# KiCad board RV523_CellTestBoard.final.kicad_pcb (continued)
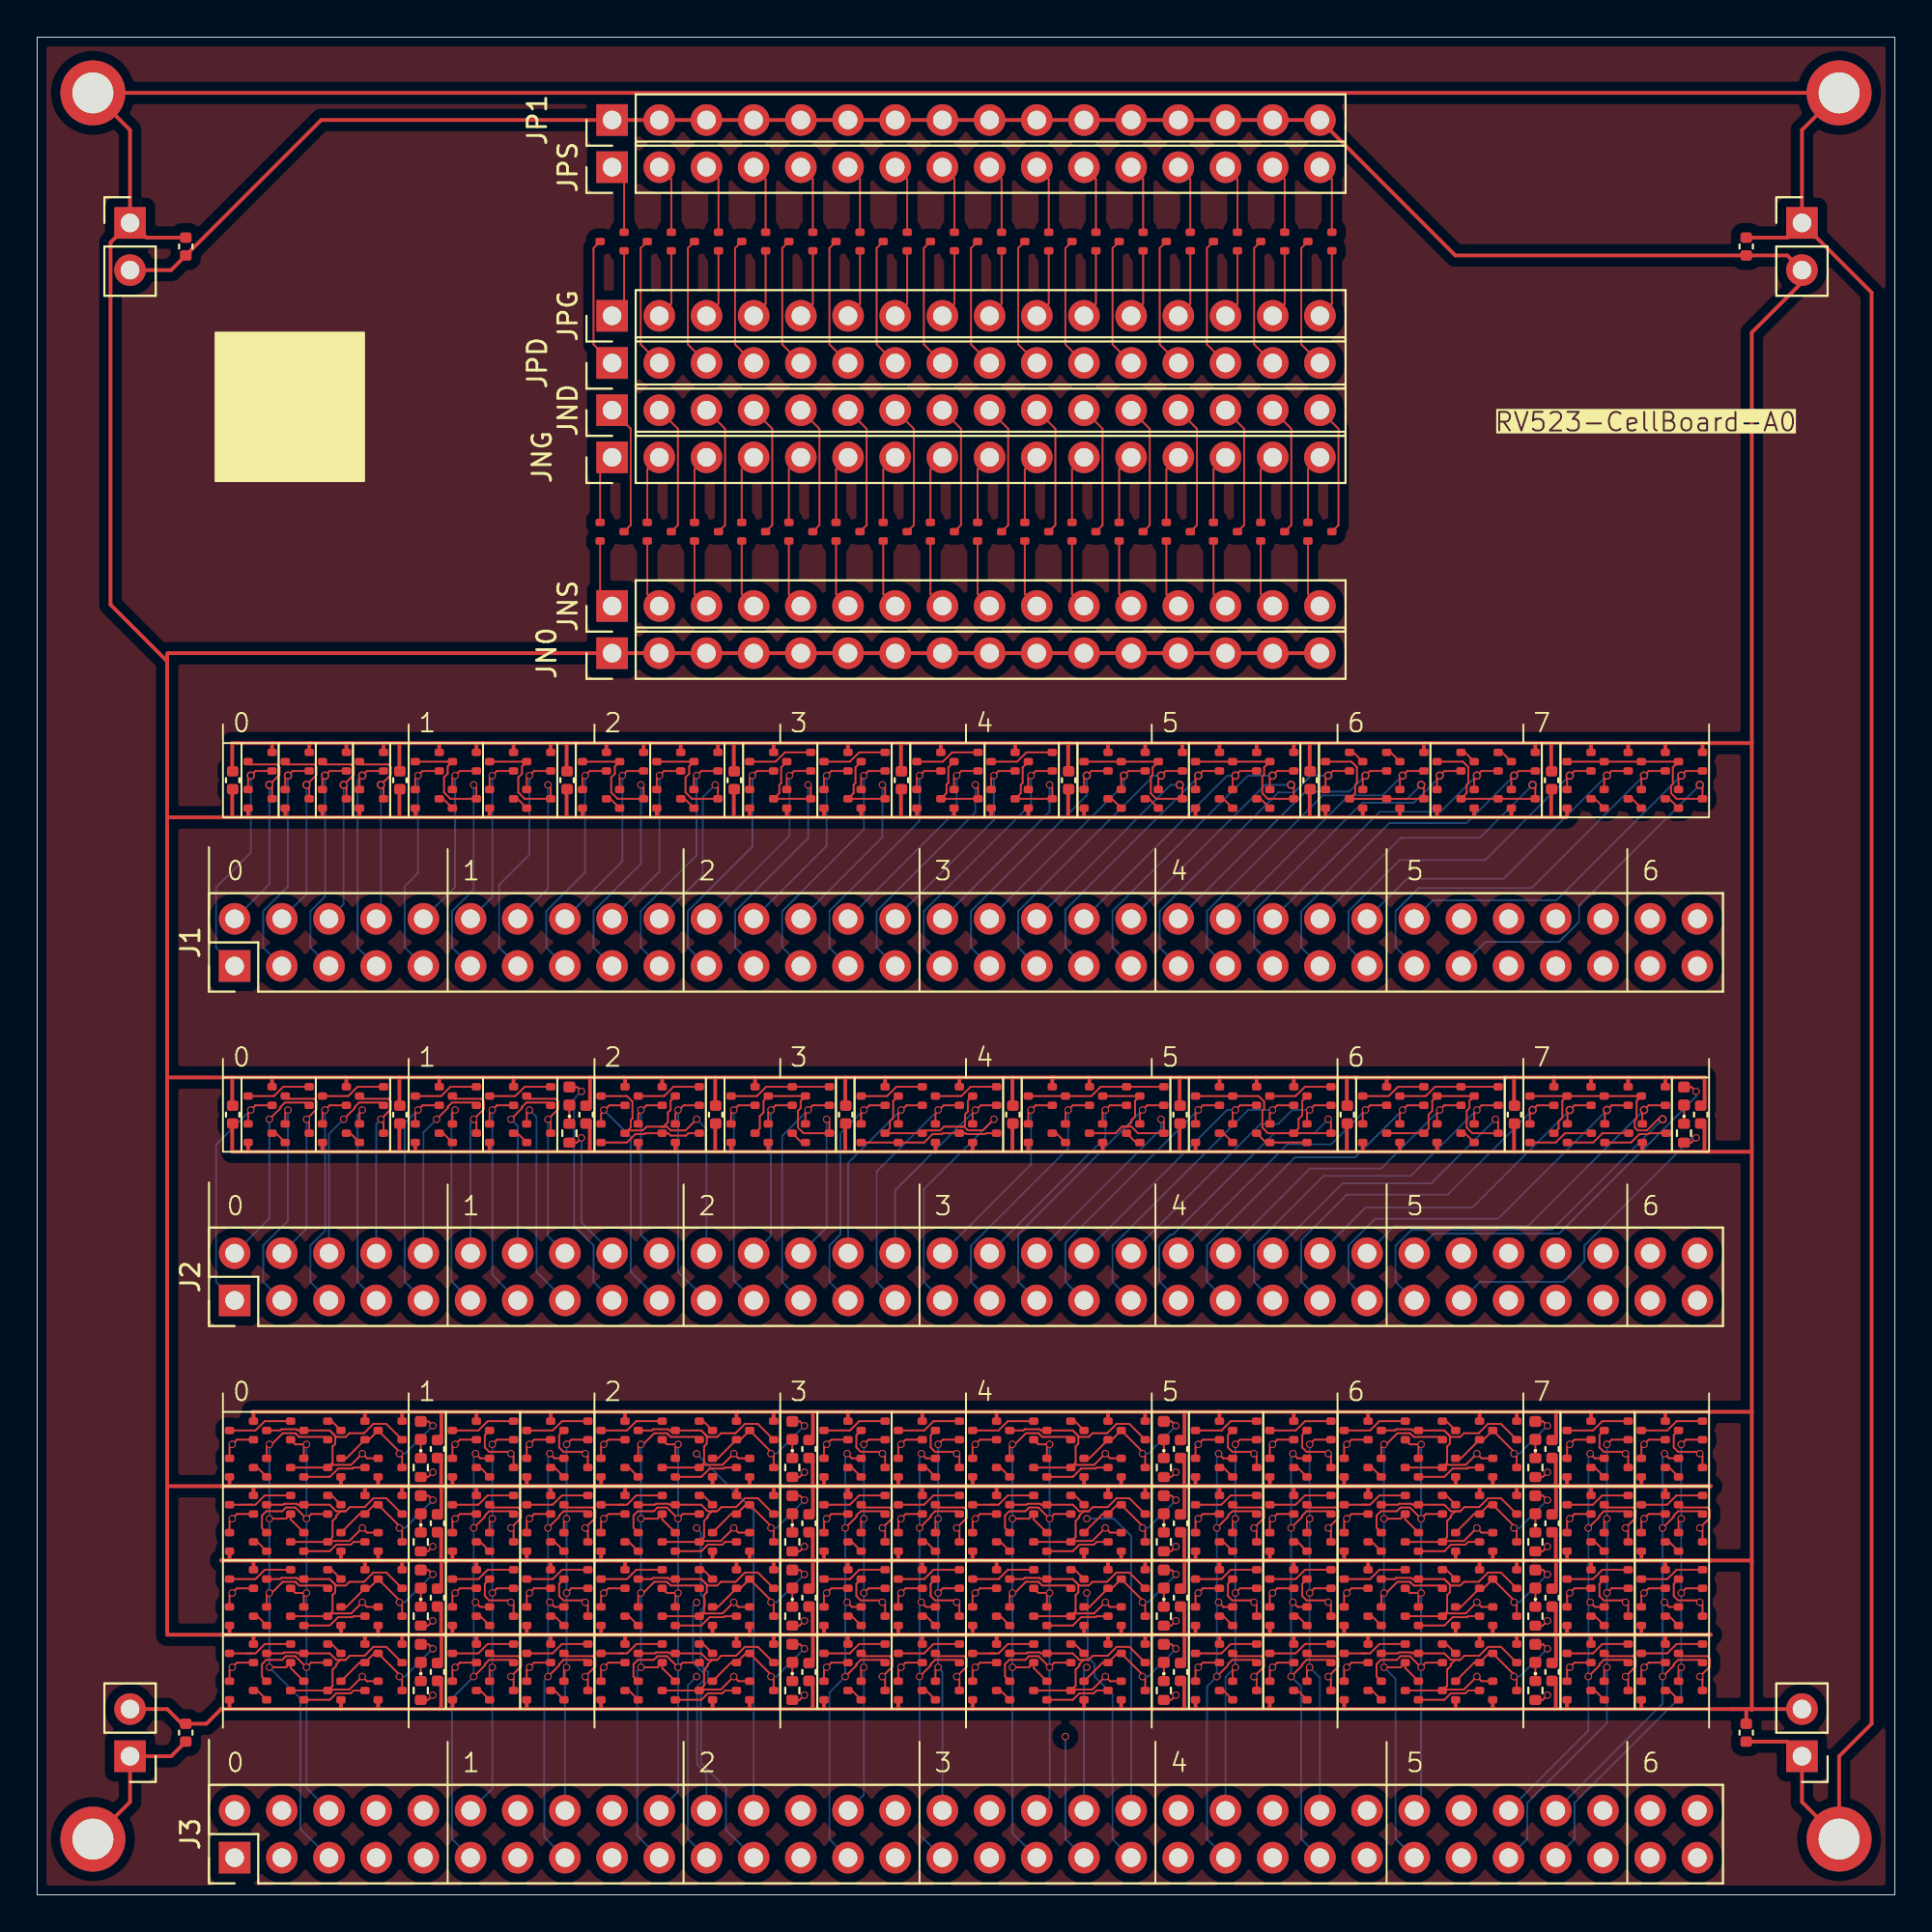
[diagram p0: board, top side]
## Routing (per net, layer and track width the routed paths; a pad name or vN(x,y) marks a point on that pad's centre or on a via; arc(x,y) is an arc through that point) (continued)
VDD: length 799.2
  Top w0.2: 71.6,26 71.64,25.95 genblk2[3].genblk1[0].L.NOT1.P1.2 ; 71.6,26 77.7,26 ; 71.6,26 67.6,26 ; genblk2[1].genblk1[0].L.NOT2.P1.2 39.65,25.94 39.7,26 ; 86.3,18 90.1,18 87.6,18 ; 86.3,18 85.9,18 87.6,18 ; 86.3,18 86.36,18.06 86.36,18.4 ; 53.3,40 53.35,40.05 OAI22_1.P1.2 ; 53.3,40 52.5,40 ; 53.3,40 57.4,40 ; 43.6,26 47.6,26 ; 43.6,26 41.76,26 ; 43.6,26 43.65,25.95 43.65,25.6 ; 47.6,26 47.65,25.95 47.65,25.6 ; 47.6,26 51.6,26 ; 12.75,62 14.64,62 ; 12.75,62 12.74,61.99 ; 12.75,62 12.64,62 ; 14.64,62 14.75,62 ; 14.64,62 14.64,61.99 NOT_2.P1.2 ; 27.6,62 27.95,62 27.95,61.99 ; 27.6,62 27.64,61.95 NAND2_2.P2.2 ; 27.6,62 25.6,62 ; 11.3,40 10.5,40 10.5,41.52 ; 11.3,40 15.3,40 ; 11.3,40 11.36,40.05 11.36,40.4 ; NAND4_1.P2.2 85.64,61.95 85.7,62 ; 43.7,62 43.65,61.95 43.65,61.6 ; 43.7,62 39.7,62 ; 43.7,62 46.5,62 ; 31.6,18 29.9,18 30.36,18 ; 31.6,18 37.7,18 ; 31.6,18 31.64,17.95 genblk2[1].genblk1[2].L.NOT1.P1.2 ; 39.4,40 39.35,40.05 OAI21_1.P2.2 ; 39.4,40 43.5,40 ; 39.4,40 37.3,40 ; genblk2[0].genblk1[0].L.NOT2.P1.2 19.64,25.94 19.7,26 ; 41.65,18 41.75,18.1 41.75,19.32 genblk2[1].genblk1[1].D.DECAP.C.1 ; 41.65,18 42.1,18 41.76,18 ; 41.65,18 40.5,18 ; genblk2[1].genblk1[2].D.DECAP.C.2 41.76,16.69 41.76,18 ; 36.6,62 34.6,62 ; 36.6,62 36.95,62 36.95,61.99 ; 36.6,62 36.65,61.95 NAND2_4.P2.2 ; 34.6,62 34.65,61.95 NAND2_4.P1.2 ; 34.6,62 32.9,62 ; 83.64,17.6 83.64,17.95 83.6,18 ; 21.76,18 22.1,18 21.65,18 ; 21.76,18 21.76,16.69 genblk2[0].genblk1[2].D.DECAP.C.2 ; 21.76,18 20.5,18 ; 67.6,18 67.64,17.95 67.64,17.6 ; 67.6,18 70.1,18 66.3,18 ; 67.6,18 65.9,18 66.3,18 ; 37.7,18 38.4,18 ; 37.7,18 37.65,17.94 genblk2[1].genblk1[2].L.NOT3.P1.2 ; 38.4,18 40.1,18 39.7,18 ; 38.4,18 36.32,18 ; 38.4,18 39.7,18 ; 38.4,18 38.35,18.05 genblk2[1].genblk1[1].L.NOT2.P1.2 ; 22.3,10 22.36,10.06 22.36,10.4 ; 22.3,10 26.3,10 ; 22.3,10 21.65,10 ; genblk2[3].genblk1[0].L.NOT3.P1.2 77.64,25.94 77.7,26 ; 22.3,18 22.36,18.06 22.36,18.4 ; 22.3,18 26.1,18 23.6,18 ; 22.3,18 21.9,18 23.6,18 ; genblk2[2].genblk1[2].L.NOT3.P1.2 57.65,17.94 57.7,18 ; 16.32,18 16.36,18.03 genblk2[0].genblk1[1].L.NOT3.P1.2 ; 16.32,18 10.36,18 ; 16.32,18 18.4,18 ; 30.36,10 36.32,10 ; 30.36,10 26.3,10 ; 30.36,10 30.36,10 genblk2[1].genblk1[3].L.NOT1.P1.2 ; 36.32,10 36.35,10.03 genblk2[1].genblk1[3].L.NOT3.P1.2 ; 36.32,10 38.4,10 ; genblk2[2].genblk1[3].L.NOT1.P1.2 50.35,10 50.36,10 ; 74.7,62 80.7,62 ; 74.7,62 68.5,62 ; 74.7,62 74.64,61.95 NOR3_1.P3.2 ; 80.7,62 80.64,61.95 NOR3_2.P3.2 ; 80.7,62 81.5,62 ; genblk2[1].genblk1[1].L.NOT3.P1.2 36.35,18.03 36.32,18 ; AOI21_1.P2.2 32.35,40.03 32.39,40 ; AOI22_1.P3.2 48.35,40.01 48.35,40 ; genblk2[0].genblk1[2].L.NOT3.P1.2 17.64,17.94 17.7,18 ; genblk2[1].genblk1[2].L.NOT2.P1.2 39.65,17.94 39.7,18 ; 19.7,26 21.76,26 ; 19.7,26 17.7,26 ; 32.6,62 32.65,61.95 NAND2_3.P2.2 ; 32.6,62 32.95,62 32.95,61.99 ; 32.6,62 30.6,62 ; 76.32,18 76.36,18.03 genblk2[3].genblk1[1].L.NOT3.P1.2 ; 76.32,18 78.4,18 ; 76.32,18 70.36,18 ; 43.5,40 48.35,40 ; 43.5,40 43.5,41.52 ; 48.35,40 50.3,40 ; 20.36,40.4 20.36,40.05 20.3,40 ; 41.76,26 41.76,24.69 genblk2[1].genblk1[0].D.DECAP.C.2 ; 41.76,26 39.7,26 ; 39.65,61.6 39.65,61.95 39.7,62 ; 68.5,62 67.64,62 ; 68.5,62 68.5,60.48 ; 77.7,18 77.64,17.94 genblk2[3].genblk1[2].L.NOT3.P1.2 ; 77.7,18 71.6,18 ; 77.7,18 78.4,18 ; 19.7,18 19.64,17.94 genblk2[0].genblk1[2].L.NOT2.P1.2 ; 19.7,18 20.1,18 18.4,18 ; 19.7,18 18.4,18 ; 78.4,18 78.36,18.05 genblk2[3].genblk1[1].L.NOT2.P1.2 ; 78.4,18 79.7,18 ; 78.4,18 80.1,18 79.7,18 ; 62.35,10.4 62.35,10.06 62.3,10 ; 39.9,18 40.5,18 ; 40.5,18 41.76,18 ; 82.3,10 82.36,10.06 82.36,10.4 ; 82.3,10 86.3,10 ; 82.3,10 81.65,10 ; 26.3,18 30.1,18 27.6,18 ; 26.3,18 25.9,18 27.6,18 ; 26.3,18 26.36,18.06 26.36,18.4 ; 56.32,18 56.35,18.03 genblk2[2].genblk1[1].L.NOT3.P1.2 ; 56.32,18 50.36,18 ; 56.32,18 58.4,18 ; 70.36,10 76.32,10 ; 70.36,10 70.36,10 genblk2[3].genblk1[3].L.NOT1.P1.2 ; 70.36,10 66.3,10 ; 76.32,10 76.36,10.03 genblk2[3].genblk1[3].L.NOT3.P1.2 ; 76.32,10 78.4,10 ; 48.65,61.6 48.65,61.95 48.7,62 ; 18.4,18 18.36,18.05 genblk2[0].genblk1[1].L.NOT2.P1.2 ; 18.4,18 17.7,18 ; 66.3,18 66.36,18.06 66.36,18.4 ; 21.76,26 21.76,24.69 genblk2[0].genblk1[0].D.DECAP.C.2 ; 21.76,26 23.6,26 ; 85.7,62 87.7,62 ; 85.7,62 83.7,62 ; 87.7,62 87.64,61.95 NAND4_1.P3.2 ; 87.7,62 89.7,62 89.64,61.95 NAND4_1.P4.2 ; 87.64,17.6 87.64,17.95 87.6,18 ; 63.65,25.6 63.65,25.95 63.6,26 ; 37.5,60.48 37.5,62 ; 37.5,62 39.7,62 ; 37.5,62 36.9,62 ; 30.36,18 36.32,18 ; 30.36,18 30.36,18 genblk2[1].genblk1[1].L.NOT1.P1.2 ; 63.6,18 66.1,18 62.3,18 ; 63.6,18 61.9,18 62.3,18 ; 63.6,18 63.65,17.95 63.65,17.6 ; 83.6,26 83.64,25.95 83.64,25.6 ; 83.6,26 87.6,26 ; 83.6,26 81.76,26 ; 32.39,40 29.65,40 ; 32.39,40 34.4,40 ; 71.4,40 71.36,40.05 OAI211_1.P1.2 ; 71.4,40 73.3,40 ; 71.4,40 70.5,40 ; NAND2_3.P1.2 30.64,61.95 30.6,62 ; 59.7,26 59.65,25.94 genblk2[2].genblk1[0].L.NOT2.P1.2 ; 59.7,26 57.7,26 ; 59.7,26 61.76,26 ; 48.7,62 52.7,62 ; 48.7,62 46.5,62 ; 52.7,62 52.65,61.95 52.65,61.6 ; 52.7,62 55.5,62 ; 46.3,10 50.36,10 ; 46.3,10 46.35,10.06 46.35,10.4 ; 46.3,10 42.3,10 ; 50.36,10 56.32,10 ; genblk2[0].genblk1[0].L.NOT1.P1.2 11.64,25.95 11.6,26 17.7,26 ; 23.6,18 23.64,17.95 23.64,17.6 ; 50.36,18 50.35,18 genblk2[2].genblk1[1].L.NOT1.P1.2 ; 50.36,18 49.9,18 51.6,18 ; 81.65,10 81.75,10.1 81.75,11.32 genblk2[3].genblk1[3].D.DECAP.C.1 ; 81.65,10 78.4,10 ; 47.6,18 45.9,18 46.3,18 ; 47.6,18 50.1,18 46.3,18 ; 47.6,18 47.65,17.95 47.65,17.6 ; 12.64,62 12.64,61.99 NOT_1.P1.2 ; 12.64,62 10.5,62 10.5,60.48 ; 73.3,40 75.4,40 ; 73.3,40 73.36,40.05 OAI211_1.P2.2 ; 75.4,40 79.5,40 ; 75.4,40 75.36,40.05 OAI211_1.P3.2 ; AOI211_1.P1.2 62.35,40.05 62.41,40 ; 29.65,40 29.75,40.1 29.75,41.32 DECAP_LED_12.DECAP.C.1 ; 29.65,40 24.3,40 ; 79.5,41.52 79.5,40 ; 79.5,40 86.4,40 ; 23.6,26 23.64,25.95 23.64,25.6 ; 23.6,26 27.6,26 ; 31.6,26 31.64,25.95 genblk2[1].genblk1[0].L.NOT1.P1.2 ; 31.6,26 27.6,26 ; 31.6,26 37.7,26 ; 78.4,10 78.36,10.05 genblk2[3].genblk1[3].L.NOT2.P1.2 ; 67.64,25.6 67.64,25.95 67.6,26 ; 21.65,18 21.75,18.1 21.75,19.32 genblk2[0].genblk1[1].D.DECAP.C.1 ; 21.65,18 20.5,18 ; genblk2[3].genblk1[2].L.NOT1.P1.2 71.64,17.95 71.6,18 ; 50.3,40 50.35,40.05 AOI22_1.P4.2 ; 50.3,40 52.5,40 ; 57.7,26 51.6,26 ; 57.7,26 57.65,25.94 genblk2[2].genblk1[0].L.NOT3.P1.2 ; 92,10 91.2,10 ; 92,10 92.3,10 92.3,10.1 ; 92,10 DECAP4.1 ; 91.2,10 86.3,10 ; 91.2,10 JSupply4.2 ; 67.64,62 65.64,62 ; 67.64,62 NAND3_2.P3.2 ; NAND4_1.P1.2 83.64,61.95 83.7,62 ; 62.3,10 66.3,10 ; 62.3,10 61.65,10 ; 10.36,10 9.9,10 9.11,9.21 DECAP3.1 7.79,9.21 7,10 JSupply3.2 ; 10.36,10 16.32,10 ; 10.36,10 10.36,10 genblk2[0].genblk1[3].L.NOT1.P1.2 ; 71.6,18 69.9,18 70.36,18 ; 14.74,61.99 14.75,62 ; 14.75,62 16.64,62 ; 62.41,40 70.5,40 ; 62.41,40 61.5,40 ; 70.5,40 70.5,41.52 ; 65.64,62 63.64,62 ; 65.64,62 65.64,62 NAND3_2.P2.2 ; 79.7,18 79.64,17.94 genblk2[3].genblk1[2].L.NOT2.P1.2 ; 27.6,18 27.64,17.95 27.64,17.6 ; genblk2[2].genblk1[2].L.NOT1.P1.2 51.65,17.95 51.6,18 ; 83.7,62 81.5,62 ; genblk2[2].genblk1[3].D.DECAP.C.1 61.75,11.32 61.75,10.1 61.65,10 ; 17.7,18 11.6,18 ; 23.6,62 23.64,61.95 NAND2_1.P2.2 ; 23.6,62 23.95,62 23.95,61.99 ; 23.6,62 21.6,62 ; 46.5,62 46.5,60.48 ; 60.5,18 61.65,18 ; 60.5,18 61.76,18 ; 60.5,18 59.9,18 ; 61.65,18 62.1,18 61.76,18 ; 61.65,18 61.75,18.1 61.75,19.32 genblk2[2].genblk1[1].D.DECAP.C.1 ; 36.5,41.52 36.5,40 ; 36.5,40 34.4,40 ; 36.5,40 37.3,40 ; 46.3,18 46.35,18.06 46.35,18.4 ; 62.3,18 62.35,18.06 62.35,18.4 ; 43.6,18 46.1,18 42.3,18 ; 43.6,18 41.9,18 42.3,18 ; 43.6,18 43.65,17.95 43.65,17.6 ; 86.4,40 86.41,40.01 NOR4_1.P4.2 ; 86.4,40 89.65,40 ; 86.4,40 92.3,40 ; 10.36,18 10.36,18 genblk2[0].genblk1[1].L.NOT1.P1.2 ; 10.36,18 9.9,18 11.6,18 ; 41.65,10 42.3,10 ; 41.65,10 41.75,10.1 41.75,11.32 genblk2[1].genblk1[3].D.DECAP.C.1 ; 41.65,10 38.4,10 ; 42.3,10 42.35,10.06 42.35,10.4 ; 34.4,40 34.35,40.05 AOI21_1.P3.2 ; NOT_3.P1.2 16.64,61.99 16.64,62 ; 87.64,25.6 87.64,25.95 87.6,26 ; 89.65,40 90.1,40 ; 89.65,40 89.75,40.1 89.75,41.32 DECAP_LED_19.DECAP.C.1 ; 81.5,60.48 81.5,62 ; 11.6,18 11.64,17.95 genblk2[0].genblk1[2].L.NOT1.P1.2 ; 26.3,10 26.36,10.06 26.36,10.4 ; 86.3,10 86.36,10.06 86.36,10.4 ; 42.3,18 42.35,18.06 42.35,18.4 ; 80.5,18 81.65,18 ; 80.5,18 79.9,18 ; 80.5,18 81.76,18 ; 81.65,18 82.1,18 81.76,18 ; 81.65,18 81.75,18.1 81.75,19.32 genblk2[3].genblk1[1].D.DECAP.C.1 ; NAND3_1.P2.2 59.65,62 59.64,62 ; 87.6,18 92.3,18 ; 77.7,26 79.7,26 ; 38.4,10 38.35,10.05 genblk2[1].genblk1[3].L.NOT2.P1.2 ; 83.6,18 81.9,18 82.3,18 ; 83.6,18 86.1,18 82.3,18 ; genblk2[3].genblk1[1].L.NOT1.P1.2 70.36,18 70.36,18 ; 82.3,18 82.36,18.06 82.36,18.4 ; 16.75,62 18.64,62 ; 16.75,62 16.64,62 ; 16.75,62 16.75,61.99 ; 18.64,62 18.75,62 ; 18.64,62 18.64,61.99 NOT_4.P1.2 ; 57.7,18 58.4,18 ; 57.7,18 51.6,18 ; 92.3,18 92.3,10.1 ; 92.3,18 92.3,26 ; 92.3,10.1 92.3,9.95 ; 87.6,26 92.3,26 ; 28.5,62 30.6,62 ; 28.5,62 28.5,60.48 ; 28.5,62 27.9,62 ; 24.3,40 24.36,40.05 24.36,40.4 ; 24.3,40 20.3,40 ; 79.7,26 81.76,26 ; 79.7,26 79.64,25.94 genblk2[3].genblk1[0].L.NOT2.P1.2 ; 81.76,26 81.76,24.69 genblk2[3].genblk1[0].D.DECAP.C.2 ; 58.4,18 58.35,18.05 genblk2[2].genblk1[1].L.NOT2.P1.2 ; 58.4,18 60.1,18 59.7,18 ; 58.4,18 59.7,18 ; 18.75,62 18.75,61.99 ; 18.75,62 19.5,62 ; 57.4,40 57.35,40.05 57.35,40.4 ; 57.4,40 61.5,40 ; 51.6,26 51.65,25.95 genblk2[2].genblk1[0].L.NOT1.P1.2 ; 63.6,26 67.6,26 ; 63.6,26 61.76,26 ; 20.5,18 19.9,18 ; 37.3,40 37.35,40.05 OAI21_1.P1.2 ; 61.76,18 61.76,16.69 genblk2[2].genblk1[2].D.DECAP.C.2 ; JSupply1.2 7.21,87.46 DECAP1.1 15.29,95.54 JP1.1 JP1.16 76.34,88.25 DECAP2.1 94.21,88.25 JSupply2.2 95,86.8 92.3,84.1 92.3,62 ; 25.6,62 23.9,62 ; 25.6,62 25.64,61.95 NAND2_2.P1.2 ; 61.76,26 61.76,24.69 genblk2[2].genblk1[0].D.DECAP.C.2 ; 59.7,18 59.65,17.94 genblk2[2].genblk1[2].L.NOT2.P1.2 ; 92.3,62 92.3,40 ; 92.3,62 89.6,62 ; 92.3,40 92.3,26 ; 61.5,41.52 61.5,40 ; 20.3,40 19.5,40 ; 59.64,62 61.64,62 ; 59.64,62 57.64,62 ; 61.64,62 63.64,62 ; 61.65,62 NAND3_1.P3.2 ; genblk2[3].genblk1[2].D.DECAP.C.2 81.76,16.69 81.76,18 ; 18.4,10 21.65,10 ; 18.4,10 18.36,10.05 genblk2[0].genblk1[3].L.NOT2.P1.2 ; 18.4,10 16.32,10 ; 21.65,10 21.75,10.1 21.75,11.32 genblk2[0].genblk1[3].D.DECAP.C.1 ; 52.5,41.52 52.5,40 ; 37.7,26 37.65,25.94 genblk2[1].genblk1[0].L.NOT3.P1.2 ; 37.7,26 39.7,26 ; 66.3,10 66.36,10.06 66.36,10.4 ; 15.3,40 15.36,40.05 15.36,40.4 ; 15.3,40 19.5,40 ; 17.7,26 17.64,25.94 genblk2[0].genblk1[0].L.NOT3.P1.2 ; 63.64,62 63.65,61.99 NAND3_2.P1.2 ; 56.32,10 58.4,10 ; 56.32,10 56.35,10.03 genblk2[2].genblk1[3].L.NOT3.P1.2 ; 58.4,10 58.35,10.05 genblk2[2].genblk1[3].L.NOT2.P1.2 ; 58.4,10 61.65,10 ; 16.32,10 16.36,10.03 genblk2[0].genblk1[3].L.NOT3.P1.2 ; 27.6,26 27.64,25.95 27.64,25.6 ; NAND2_1.P1.2 21.64,61.95 21.6,62 ; 55.5,60.48 55.5,62 ; 55.5,62 57.64,62 ; 19.5,62 21.6,62 ; 19.5,62 19.5,60.48 ; 19.5,40 19.5,41.52 ; 57.64,62 57.65,61.99 NAND3_1.P1.2
AOI21_1.intB: length 3.5
  Top w0.1: AOI21_1.N3.2 34.25,43.5 33.75,43 AOI21_1.N2.3
AOI21_1.intP: length 5.6
  Top w0.1: AOI21_1.P3.3 35.05,41 34.92,40.87 34.09,40.87 33.96,41 AOI21_1.P2.3 32.74,41 32.69,40.95 32.2,40.95 31.75,40.5 AOI21_1.P1.2
AOI22_1.intA: length 3.5
  Top w0.1: AOI22_1.N1.3 45.75,43 46.25,43.5 AOI22_1.N2.2
AOI22_1.intB: length 3.5
  Top w0.1: AOI22_1.N4.2 50.25,43.5 49.75,43 AOI22_1.N3.3
AOI22_1.intP: length 7.5
  Top w0.1: AOI22_1.P1.2 AOI22_1.P2.2 47.75,40.5 48.2,40.95 48.69,40.95 48.74,41 AOI22_1.P3.3 49.98,41 50.03,40.95 51.03,40.95 51.08,41 AOI22_1.P4.3
AOI211_1.intC: length 3.5
  Top w0.1: AOI211_1.N4.2 68.25,43.5 67.75,43 AOI211_1.N3.3
AOI211_1.intPA: length 0.9
  Top w0.1: AOI211_1.P2.2 63.85,41 AOI211_1.P1.3
AOI211_1.intPB: length 2.9
  Top w0.1: AOI211_1.P4.2 AOI211_1.P3.2 66.14,40.5 AOI211_1.P2.3
DECAP_LED_12.i: length 1
  Top w0.1: DECAP_LED_12.L.1 DECAP_LED_12.R.1
DECAP_LED_19.i: length 1
  Top w0.1: DECAP_LED_19.L.1 DECAP_LED_19.R.1
genblk2[0].genblk1[0].D.i: length 1
  Top w0.1: genblk2[0].genblk1[0].D.L.1 genblk2[0].genblk1[0].D.R.1
genblk2[0].genblk1[0].L.NOT1.intN: length 0.9
  Top w0.1: genblk2[0].genblk1[0].L.NOT1.N1.3 11.86,23 genblk2[0].genblk1[0].L.NOT1.N2.2
genblk2[0].genblk1[0].L.NOT1.intP: length 3.5
  Top w0.1: genblk2[0].genblk1[0].L.NOT1.P2.2 12.25,25.5 11.75,25 genblk2[0].genblk1[0].L.NOT1.P1.3
genblk2[0].genblk1[0].L.NOT3.intN: length 3.5
  Top w0.1: genblk2[0].genblk1[0].L.NOT3.N1.3 17.03,23 16.98,22.95 16.2,22.95 15.75,22.5 genblk2[0].genblk1[0].L.NOT3.N2.2
genblk2[0].genblk1[0].L.NOT3.intP: length 0.9
  Top w0.1: genblk2[0].genblk1[0].L.NOT3.P1.3 15.86,25.5 genblk2[0].genblk1[0].L.NOT3.P2.2
genblk2[0].genblk1[0].nQ: length 31.7
  Top w0.1: genblk2[0].genblk1[0].L.NOT2.N1.1 17.75,23.5 v2(17.5,23.75) 16.9,23.15 15.79,23.15 genblk2[0].genblk1[0].L.NOT3.N2.3 ; genblk2[0].genblk1[0].R2.N1.1 26.36,24.11 v2(26.5,24.25) 26.75,24.5 genblk2[0].genblk1[0].R2.P1.1 ; 15.81,24.93 16.05,24.7 16.05,24.28 15.9,24.14 15.9,23.26 genblk2[0].genblk1[0].L.NOT3.N2.3 ; genblk2[0].genblk1[0].L.NOT3.N2.3 genblk2[0].genblk1[0].L.NOT1.N2.3 ; genblk2[0].genblk1[0].L.NOT1.P2.3 13.09,25 13.15,25.06 13.97,25.06 14.03,25 genblk2[0].genblk1[0].L.NOT3.P2.3 15.75,25 16.1,24.65 16.61,24.65 16.81,24.85 17.6,24.85 18.1,25.35 18.79,25.35 genblk2[0].genblk1[0].L.NOT2.P1.1 ; genblk2[0].genblk1[0].R1.N1.1 22.36,24.11 v2(22.5,24.25) 22.75,24.5 genblk2[0].genblk1[0].R1.P1.1
  In2.Cu w0.1: 24.4,23.35 17.9,23.35 v2(17.5,23.75) ; 24.4,23.35 23.12,23.35 22.5,23.97 v2(22.5,24.25) ; 24.4,23.35 25.88,23.35 26.5,23.97 v2(26.5,24.25)
genblk2[0].genblk1[0].Q: length 8.3
  Top w0.1: genblk2[0].genblk1[0].D.L.2 21.07,25.48 v2(21.3,25.25) ; genblk2[0].genblk1[0].L.NOT2.N1.3 19.64,23.61 v2(19.5,23.75) 19.5,23.86 genblk2[0].genblk1[0].L.NOT2.P1.3 17.86,24.5 genblk2[0].genblk1[0].L.NOT3.P1.1 16.64,23.5 genblk2[0].genblk1[0].L.NOT3.N1.1
  Bottom w0.1: v2(21.3,25.25) 19.8,23.75 v2(19.5,23.75)
genblk2[0].genblk1[0].R1.intN: length 0.9
  Top w0.1: genblk2[0].genblk1[0].R1.N2.2 23.86,23 genblk2[0].genblk1[0].R1.N1.3
genblk2[0].genblk1[0].R1.intP: length 3.5
  Top w0.1: genblk2[0].genblk1[0].R1.P2.2 24.25,25.5 23.75,25 genblk2[0].genblk1[0].R1.P1.3
genblk2[0].genblk1[0].R2.intN: length 0.9
  Top w0.1: genblk2[0].genblk1[0].R2.N1.3 27.86,23 genblk2[0].genblk1[0].R2.N2.2
genblk2[0].genblk1[0].R2.intP: length 3.5
  Top w0.1: genblk2[0].genblk1[0].R2.P2.2 28.25,25.5 27.75,25 genblk2[0].genblk1[0].R2.P1.3
genblk2[0].genblk1[1].D.i: length 1
  Top w0.1: genblk2[0].genblk1[1].D.L.1 genblk2[0].genblk1[1].D.R.1
genblk2[0].genblk1[1].L.NOT1.intN: length 3.7
  Top w0.1: genblk2[0].genblk1[1].L.NOT1.N2.2 12.25,21.5 11.75,21 11.32,21 ; 11.32,21 genblk2[0].genblk1[1].L.NOT1.N1.3 ; 11.32,21 11.56,21 11.56,21
genblk2[0].genblk1[1].L.NOT1.intP: length 0.9
  Top w0.1: genblk2[0].genblk1[1].L.NOT1.P2.2 11.86,19 genblk2[0].genblk1[1].L.NOT1.P1.3
genblk2[0].genblk1[1].L.NOT3.intN: length 0.9
  Top w0.1: genblk2[0].genblk1[1].L.NOT3.N2.2 15.86,21.5 genblk2[0].genblk1[1].L.NOT3.N1.3
genblk2[0].genblk1[1].L.NOT3.intP: length 3.5
  Top w0.1: genblk2[0].genblk1[1].L.NOT3.P2.2 15.75,18.5 16.1,18.85 16.88,18.85 17.03,19 genblk2[0].genblk1[1].L.NOT3.P1.3
genblk2[0].genblk1[1].nQ: length 31.3
  Top w0.1: 16.61,20.65 16.83,20.87 17.62,20.87 18.1,21.35 18.79,21.35 genblk2[0].genblk1[1].L.NOT2.N1.1 ; 16.61,20.65 16.1,20.65 15.75,21 genblk2[0].genblk1[1].L.NOT3.N2.3 14.03,21 13.98,21.05 13.31,21.05 13.26,21 genblk2[0].genblk1[1].L.NOT1.N2.3 ; 16.61,20.65 16.33,20.65 16.1,20.42 16.1,20.33 15.9,20.13 15.9,19.26 genblk2[0].genblk1[1].L.NOT3.P2.3 ; genblk2[0].genblk1[1].R2.P1.1 26.36,20.11 v2(26.5,20.25) 26.75,20.5 genblk2[0].genblk1[1].R2.N1.1 ; genblk2[0].genblk1[1].L.NOT2.P1.1 17.75,19.5 v2(17.5,19.75) 16.8,19.05 15.7,19.05 genblk2[0].genblk1[1].L.NOT3.P2.3 ; genblk2[0].genblk1[1].L.NOT1.P2.3 genblk2[0].genblk1[1].L.NOT3.P2.3 ; genblk2[0].genblk1[1].R1.P1.1 22.36,20.11 v2(22.5,20.25) 22.75,20.5 genblk2[0].genblk1[1].R1.N1.1
  In2.Cu w0.1: v2(26.5,20.25) 26.5,19.97 25.88,19.35 24,19.35 ; 24,19.35 17.9,19.35 v2(17.5,19.75) ; 24,19.35 23.12,19.35 22.5,19.97 v2(22.5,20.25)
genblk2[0].genblk1[1].Q: length 8.3
  Top w0.1: v2(21.3,21.25) 21.07,21.48 genblk2[0].genblk1[1].D.L.2 ; genblk2[0].genblk1[1].L.NOT3.P1.1 17.36,20.5 genblk2[0].genblk1[1].L.NOT3.N1.1 18.14,21 genblk2[0].genblk1[1].L.NOT2.N1.3 19.5,19.86 v2(19.5,19.75) 19.64,19.61 genblk2[0].genblk1[1].L.NOT2.P1.3
  Bottom w0.1: v2(19.5,19.75) 19.8,19.75 v2(21.3,21.25)
genblk2[0].genblk1[1].R1.intN: length 3.5
  Top w0.1: genblk2[0].genblk1[1].R1.N1.3 23.75,21 24.25,21.5 genblk2[0].genblk1[1].R1.N2.2
genblk2[0].genblk1[1].R1.intP: length 0.9
  Top w0.1: genblk2[0].genblk1[1].R1.P2.2 23.86,19 genblk2[0].genblk1[1].R1.P1.3
genblk2[0].genblk1[1].R2.intN: length 3.5
  Top w0.1: genblk2[0].genblk1[1].R2.N2.2 28.25,21.5 27.75,21 genblk2[0].genblk1[1].R2.N1.3
genblk2[0].genblk1[1].R2.intP: length 0.9
  Top w0.1: genblk2[0].genblk1[1].R2.P1.3 27.86,19 genblk2[0].genblk1[1].R2.P2.2
genblk2[0].genblk1[2].D.i: length 1
  Top w0.1: genblk2[0].genblk1[2].D.L.1 genblk2[0].genblk1[2].D.R.1
genblk2[0].genblk1[2].L.NOT1.intN: length 0.9
  Top w0.1: genblk2[0].genblk1[2].L.NOT1.N1.3 11.86,15 genblk2[0].genblk1[2].L.NOT1.N2.2
genblk2[0].genblk1[2].L.NOT1.intP: length 3.5
  Top w0.1: genblk2[0].genblk1[2].L.NOT1.P1.3 11.75,17 12.25,17.5 genblk2[0].genblk1[2].L.NOT1.P2.2
genblk2[0].genblk1[2].L.NOT3.intN: length 3.5
  Top w0.1: genblk2[0].genblk1[2].L.NOT3.N1.3 17.03,15 16.98,14.95 16.2,14.95 15.75,14.5 genblk2[0].genblk1[2].L.NOT3.N2.2
genblk2[0].genblk1[2].L.NOT3.intP: length 0.9
  Top w0.1: genblk2[0].genblk1[2].L.NOT3.P1.3 15.86,17.5 genblk2[0].genblk1[2].L.NOT3.P2.2
genblk2[0].genblk1[2].nQ: length 31.5
  Top w0.1: genblk2[0].genblk1[2].R2.N1.1 26.36,16.11 v2(26.5,16.25) 26.75,16.5 genblk2[0].genblk1[2].R2.P1.1 ; genblk2[0].genblk1[2].R1.N1.1 22.36,16.11 v2(22.5,16.25) 22.75,16.5 genblk2[0].genblk1[2].R1.P1.1 ; genblk2[0].genblk1[2].L.NOT2.P1.1 18.79,17.35 18.1,17.35 17.6,16.85 16.81,16.85 16.61,16.65 16.1,16.65 15.75,17 genblk2[0].genblk1[2].L.NOT3.P2.3 14.03,17 13.97,17.06 13.15,17.06 13.09,17 genblk2[0].genblk1[2].L.NOT1.P2.3 ; 15.81,16.93 16.05,16.7 16.05,16.28 15.9,16.14 15.9,15.26 genblk2[0].genblk1[2].L.NOT3.N2.3 ; genblk2[0].genblk1[2].L.NOT1.N2.3 genblk2[0].genblk1[2].L.NOT3.N2.3 ; genblk2[0].genblk1[2].L.NOT3.N2.3 15.79,15.15 16.9,15.15 v2(17.5,15.75) 17.75,15.5 genblk2[0].genblk1[2].L.NOT2.N1.1
  In2.Cu w0.1: 24.2,15.35 25.88,15.35 26.5,15.97 v2(26.5,16.25) ; 24.2,15.35 17.9,15.35 v2(17.5,15.75) ; 24.2,15.35 23.12,15.35 22.5,15.97 v2(22.5,16.25)
genblk2[0].genblk1[2].Q: length 8.3
  Top w0.1: genblk2[0].genblk1[2].D.L.2 21.07,17.48 v2(21.3,17.25) ; genblk2[0].genblk1[2].L.NOT2.N1.3 19.64,15.61 v2(19.5,15.75) 19.5,15.86 genblk2[0].genblk1[2].L.NOT2.P1.3 17.86,16.5 genblk2[0].genblk1[2].L.NOT3.P1.1 16.64,15.5 genblk2[0].genblk1[2].L.NOT3.N1.1
  Bottom w0.1: v2(21.3,17.25) 19.8,15.75 v2(19.5,15.75)
genblk2[0].genblk1[2].R1.intN: length 0.9
  Top w0.1: genblk2[0].genblk1[2].R1.N2.2 23.86,15 genblk2[0].genblk1[2].R1.N1.3
genblk2[0].genblk1[2].R1.intP: length 3.5
  Top w0.1: genblk2[0].genblk1[2].R1.P1.3 23.75,17 24.25,17.5 genblk2[0].genblk1[2].R1.P2.2
genblk2[0].genblk1[2].R2.intN: length 0.9
  Top w0.1: genblk2[0].genblk1[2].R2.N2.2 27.86,15 genblk2[0].genblk1[2].R2.N1.3
genblk2[0].genblk1[2].R2.intP: length 3.5
  Top w0.1: genblk2[0].genblk1[2].R2.P1.3 27.75,17 28.25,17.5 genblk2[0].genblk1[2].R2.P2.2
genblk2[0].genblk1[3].D.i: length 1
  Top w0.1: genblk2[0].genblk1[3].D.L.1 genblk2[0].genblk1[3].D.R.1
genblk2[0].genblk1[3].L.NOT1.intN: length 3.7
  Top w0.1: 11.32,13 11.56,13 11.56,13 ; 11.32,13 genblk2[0].genblk1[3].L.NOT1.N1.3 ; 11.32,13 11.75,13 12.25,13.5 genblk2[0].genblk1[3].L.NOT1.N2.2
genblk2[0].genblk1[3].L.NOT1.intP: length 0.9
  Top w0.1: genblk2[0].genblk1[3].L.NOT1.P1.3 11.86,11 genblk2[0].genblk1[3].L.NOT1.P2.2
genblk2[0].genblk1[3].L.NOT3.intN: length 0.9
  Top w0.1: genblk2[0].genblk1[3].L.NOT3.N2.2 15.86,13.5 genblk2[0].genblk1[3].L.NOT3.N1.3
genblk2[0].genblk1[3].L.NOT3.intP: length 3.5
  Top w0.1: genblk2[0].genblk1[3].L.NOT3.P1.3 17.03,11 16.88,10.85 16.1,10.85 15.75,10.5 genblk2[0].genblk1[3].L.NOT3.P2.2
genblk2[0].genblk1[3].nQ: length 31.1
  Top w0.1: genblk2[0].genblk1[3].L.NOT1.P2.3 genblk2[0].genblk1[3].L.NOT3.P2.3 ; genblk2[0].genblk1[3].L.NOT3.P2.3 15.9,11.26 15.9,12.13 16.1,12.33 16.1,12.42 16.33,12.65 16.61,12.65 ; genblk2[0].genblk1[3].L.NOT3.P2.3 15.7,11.05 16.8,11.05 v2(17.5,11.75) 17.75,11.5 genblk2[0].genblk1[3].L.NOT2.P1.1 ; genblk2[0].genblk1[3].R2.N1.1 26.75,12.5 v2(26.5,12.25) 26.36,12.11 genblk2[0].genblk1[3].R2.P1.1 ; genblk2[0].genblk1[3].L.NOT2.N1.1 18.79,13.35 18.1,13.35 17.62,12.87 16.83,12.87 16.61,12.65 ; genblk2[0].genblk1[3].L.NOT1.N2.3 13.26,13 13.31,13.05 13.98,13.05 14.03,13 genblk2[0].genblk1[3].L.NOT3.N2.3 15.75,13 16.1,12.65 16.61,12.65 ; genblk2[0].genblk1[3].R1.P1.1 22.36,12.11 v2(22.5,12.25) 22.75,12.5 genblk2[0].genblk1[3].R1.N1.1
  In2.Cu w0.1: 23.8,11.35 25.88,11.35 26.5,11.97 v2(26.5,12.25) ; 23.8,11.35 17.9,11.35 v2(17.5,11.75) ; 23.8,11.35 23.12,11.35 22.5,11.97 v2(22.5,12.25)
genblk2[0].genblk1[3].Q: length 8.3
  Top w0.1: genblk2[0].genblk1[3].L.NOT2.P1.3 19.64,11.61 v2(19.5,11.75) 19.5,11.86 genblk2[0].genblk1[3].L.NOT2.N1.3 18.14,13 genblk2[0].genblk1[3].L.NOT3.N1.1 17.36,12.5 genblk2[0].genblk1[3].L.NOT3.P1.1 ; genblk2[0].genblk1[3].D.L.2 21.07,13.48 v2(21.3,13.25)
  Bottom w0.1: v2(21.3,13.25) 19.8,11.75 v2(19.5,11.75)
genblk2[0].genblk1[3].R1.intN: length 3.5
  Top w0.1: genblk2[0].genblk1[3].R1.N1.3 23.75,13 24.25,13.5 genblk2[0].genblk1[3].R1.N2.2
genblk2[0].genblk1[3].R1.intP: length 0.9
  Top w0.1: genblk2[0].genblk1[3].R1.P1.3 23.86,11 genblk2[0].genblk1[3].R1.P2.2
genblk2[0].genblk1[3].R2.intN: length 3.5
  Top w0.1: genblk2[0].genblk1[3].R2.N1.3 27.75,13 28.25,13.5 genblk2[0].genblk1[3].R2.N2.2
genblk2[0].genblk1[3].R2.intP: length 0.9
  Top w0.1: genblk2[0].genblk1[3].R2.P2.2 27.86,11 genblk2[0].genblk1[3].R2.P1.3
genblk2[1].genblk1[0].D.i: length 1
  Top w0.1: genblk2[1].genblk1[0].D.L.1 genblk2[1].genblk1[0].D.R.1
genblk2[1].genblk1[0].L.NOT1.intN: length 0.9
  Top w0.1: genblk2[1].genblk1[0].L.NOT1.N1.3 31.86,23 genblk2[1].genblk1[0].L.NOT1.N2.2
genblk2[1].genblk1[0].L.NOT1.intP: length 3.5
  Top w0.1: genblk2[1].genblk1[0].L.NOT1.P1.3 31.75,25 32.25,25.5 genblk2[1].genblk1[0].L.NOT1.P2.2
genblk2[1].genblk1[0].L.NOT3.intN: length 3.5
  Top w0.1: genblk2[1].genblk1[0].L.NOT3.N2.2 35.75,22.5 36.2,22.95 36.98,22.95 37.03,23 genblk2[1].genblk1[0].L.NOT3.N1.3
genblk2[1].genblk1[0].L.NOT3.intP: length 0.9
  Top w0.1: genblk2[1].genblk1[0].L.NOT3.P1.3 35.85,25.5 genblk2[1].genblk1[0].L.NOT3.P2.2
genblk2[1].genblk1[0].nQ: length 31.6
  Top w0.1: genblk2[1].genblk1[0].L.NOT2.P1.1 38.79,25.35 38.1,25.35 37.6,24.85 36.81,24.85 36.61,24.65 36.1,24.65 35.75,25 genblk2[1].genblk1[0].L.NOT3.P2.3 34.03,25 33.97,25.06 33.15,25.06 33.09,25 genblk2[1].genblk1[0].L.NOT1.P2.3 ; genblk2[1].genblk1[0].R2.N1.1 46.35,24.11 v2(46.5,24.25) 46.75,24.5 genblk2[1].genblk1[0].R2.P1.1 ; genblk2[1].genblk1[0].L.NOT2.N1.1 37.75,23.5 v2(37.5,23.75) 36.9,23.15 35.79,23.15 genblk2[1].genblk1[0].L.NOT3.N2.3 ; genblk2[1].genblk1[0].L.NOT1.N2.3 genblk2[1].genblk1[0].L.NOT3.N2.3 ; genblk2[1].genblk1[0].L.NOT3.N2.3 35.9,23.26 35.9,24.14 36.05,24.28 36.05,24.7 35.81,24.93 ; genblk2[1].genblk1[0].R1.P1.1 42.75,24.5 v2(42.5,24.25) 42.35,24.11 genblk2[1].genblk1[0].R1.N1.1
  In2.Cu w0.1: v2(42.5,24.25) 42.5,23.97 43.12,23.35 44.3,23.35 ; v2(37.5,23.75) 37.9,23.35 45.88,23.35 46.5,23.97 v2(46.5,24.25)
genblk2[1].genblk1[0].Q: length 8.3
  Top w0.1: v2(41.3,25.25) 41.06,25.48 genblk2[1].genblk1[0].D.L.2 ; genblk2[1].genblk1[0].L.NOT3.N1.1 36.65,23.5 genblk2[1].genblk1[0].L.NOT3.P1.1 37.85,24.5 genblk2[1].genblk1[0].L.NOT2.P1.3 39.5,23.86 v2(39.5,23.75) 39.65,23.61 genblk2[1].genblk1[0].L.NOT2.N1.3
  Bottom w0.1: v2(41.3,25.25) 39.8,23.75 v2(39.5,23.75)
genblk2[1].genblk1[0].R1.intN: length 0.9
  Top w0.1: genblk2[1].genblk1[0].R1.N2.2 43.85,23 genblk2[1].genblk1[0].R1.N1.3
genblk2[1].genblk1[0].R1.intP: length 3.5
  Top w0.1: genblk2[1].genblk1[0].R1.P1.3 43.75,25 44.25,25.5 genblk2[1].genblk1[0].R1.P2.2
genblk2[1].genblk1[0].R2.intN: length 0.9
  Top w0.1: genblk2[1].genblk1[0].R2.N2.2 47.85,23 genblk2[1].genblk1[0].R2.N1.3
genblk2[1].genblk1[0].R2.intP: length 3.5
  Top w0.1: genblk2[1].genblk1[0].R2.P2.2 48.25,25.5 47.75,25 genblk2[1].genblk1[0].R2.P1.3
genblk2[1].genblk1[1].D.i: length 1
  Top w0.1: genblk2[1].genblk1[1].D.L.1 genblk2[1].genblk1[1].D.R.1
genblk2[1].genblk1[1].L.NOT1.intN: length 3.7
  Top w0.1: 31.32,21 31.56,21 31.56,21 ; 31.32,21 genblk2[1].genblk1[1].L.NOT1.N1.3 ; 31.32,21 31.75,21 32.25,21.5 genblk2[1].genblk1[1].L.NOT1.N2.2
genblk2[1].genblk1[1].L.NOT1.intP: length 0.9
  Top w0.1: genblk2[1].genblk1[1].L.NOT1.P1.3 31.86,19 genblk2[1].genblk1[1].L.NOT1.P2.2
genblk2[1].genblk1[1].L.NOT3.intN: length 0.9
  Top w0.1: genblk2[1].genblk1[1].L.NOT3.N2.2 35.85,21.5 genblk2[1].genblk1[1].L.NOT3.N1.3